# Altium PCB [CC2538] PCB v3.PcbDoc (continued)
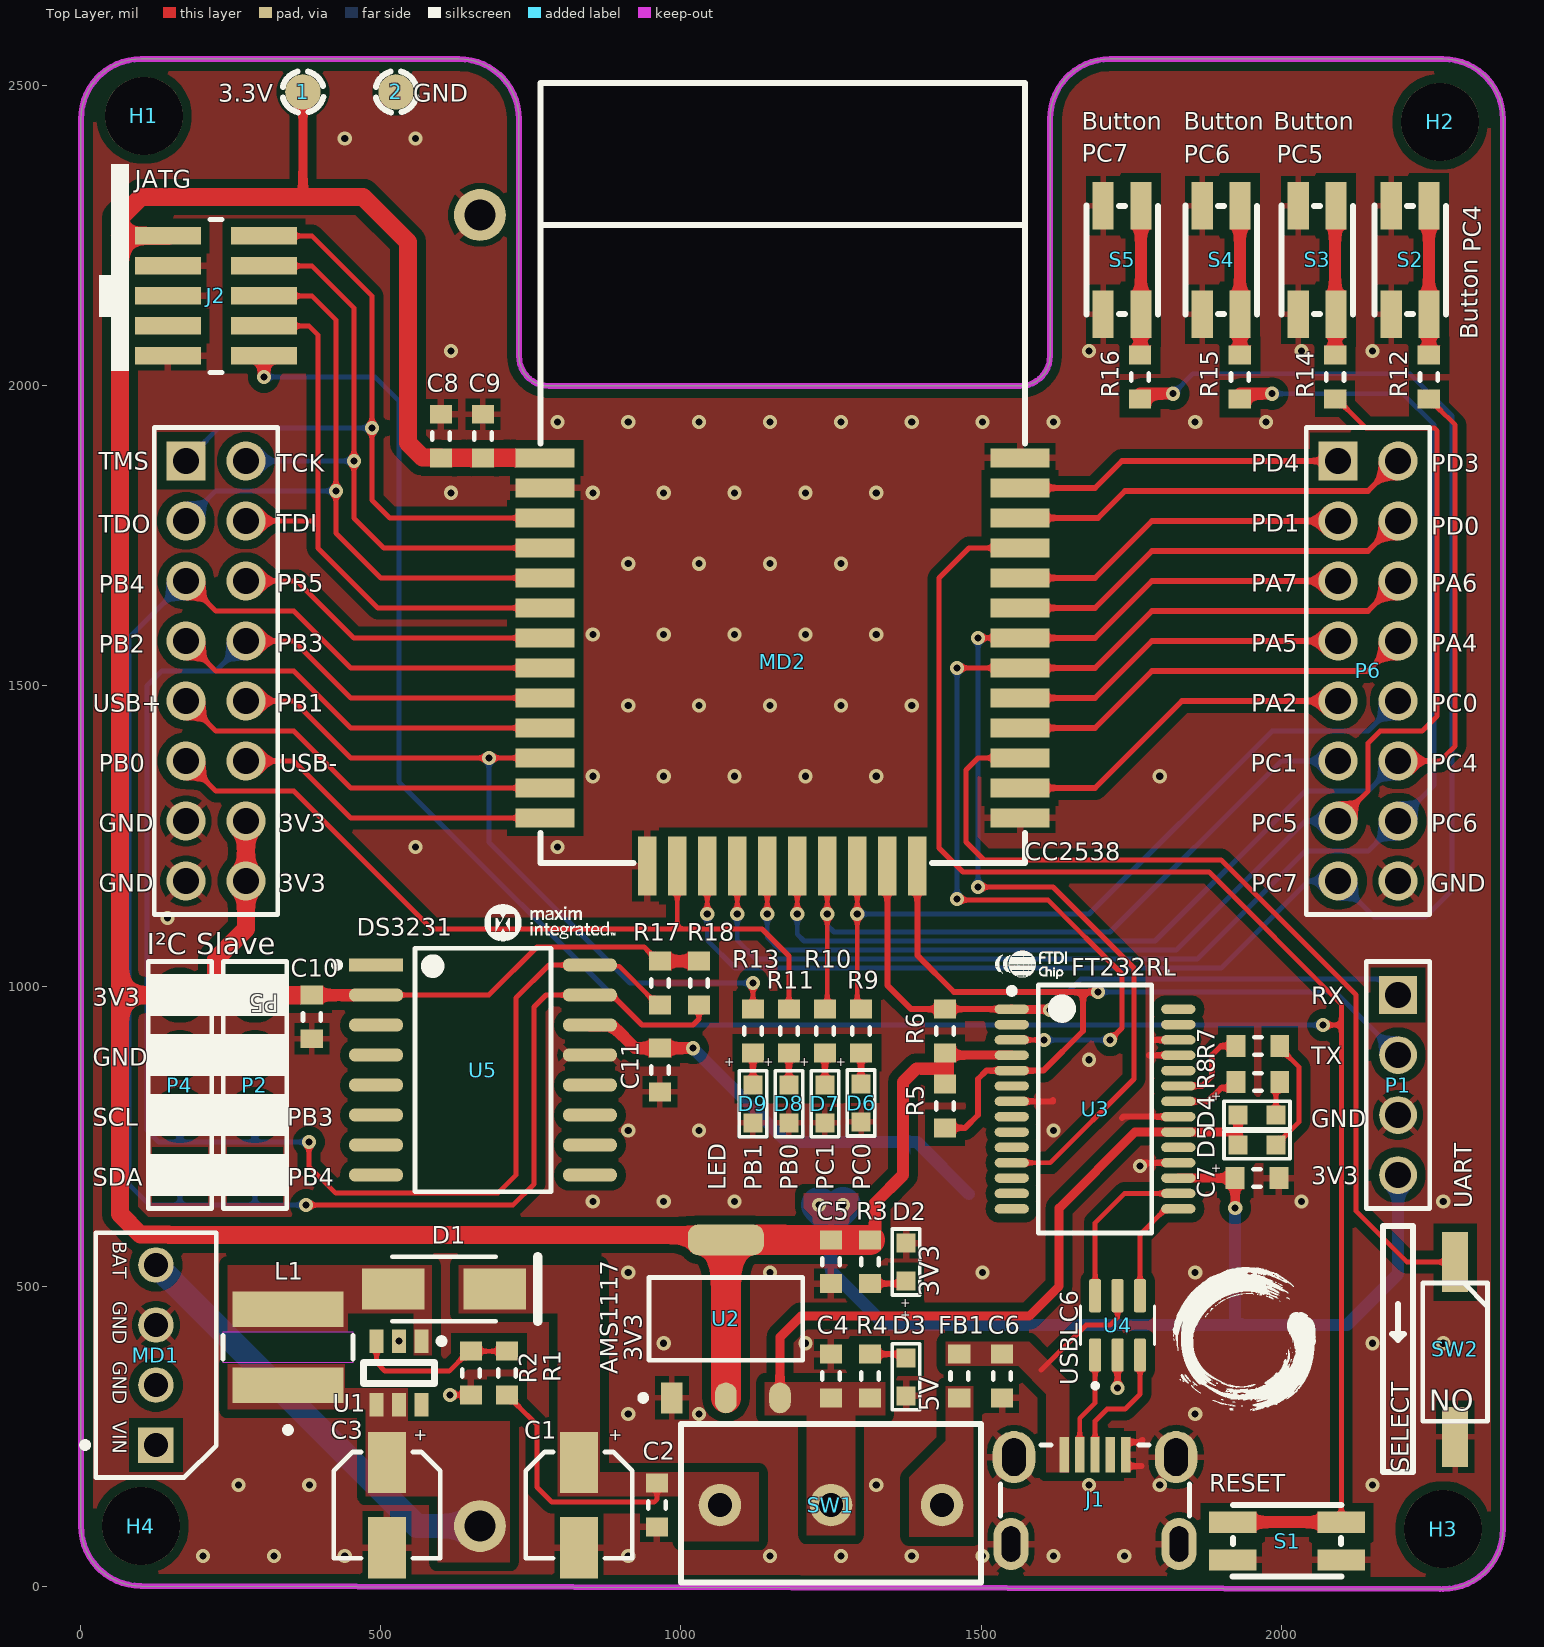
[diagram p0: Top Layer view]
## Footprints (in the part's own frame and the unit in brackets; to place one, negate y for a bottom-side part, rotate by r counter-clockwise, add the part's x,y. Pads: shape width x height; smd on the part's side, far side on the other; paste and mask are expansions set on the pad) (continued)
BCAAC [mm] "Battery Holder (Open) AA 1 Cell PC Pin"
  round 2.2 hole 1.3: 1(28.004,-0.127) 2(-27.496,-0.127)
  silkscreen extent -29.6,-8.33 30.1,8.07, body extent -29.6,-8.33 30.1,8.07, height 13.25
CAP_0603 [mm] "Chip Capacitor, 2-Leads, Body 1.80x0.80mm, IPC Medium Density"
  rect 0.8x0.95 smd: 1(-0.925,0) 2(0.925,0)
  silkscreen extent -0.15,-0.38 0.15,0.38, body extent -0.95,-0.45 0.95,0.45, height 0.9
CBG160808U601T-Footprint [mm]
  rect 0.8x0.95 smd: 1(-0.925,0) 2(0.925,0)
  silkscreen extent -0.15,-0.38 0.15,0.38, body extent -0.75,-0.45 0.85,0.5, height 0.5
"Dip Switch 1 2.54-Footprint-1" [mm]
  rect 1.1x2.54 smd: 1(0,-3.81) 2(0,3.59)
  silkscreen extent -1.37,-2.93 1.37,2.93, body extent -1.22,-4.32 1.22,4.32, height 2.65
FP-AMS1117-IPC_B [mm]
  rect 1.304x0.912 smd paste+0 mask+0: 1(-3.345,2.29)
  rrect100% 1.304x0.912 smd paste+0 mask+0: 2(-3.345,0) 3(-3.345,-2.29)
  rrect70% 1.304x3.222 smd paste+0 mask+0: 4(3.345,0)
  silkscreen extent -3.47,-3.25 1.75,3.62, body extent -4.25,-3.5 4.25,3.5, height 0.25
FP-BU2032SM-BT-GTR-MFG [mm]
  rect 5x5 smd paste+0 mask+0: 1(14.65,0) 2(-14.65,0)
  silkscreen extent -14.55,-8.25 14.55,8.25, body extent -15.93,-8 15.93,8, height 5.7
FP-FTSH-105-01-L-DV-K-P-T-MFG [mm]
  rect 0.74x2.79 smd paste+0 mask+0: 1(-2.54,-2.035) 2(-2.54,2.035) 3(-1.27,-2.035) 4(-1.27,2.035) 5(0,-2.035) 6(0,2.035) 7(1.27,-2.035) 8(1.27,2.035) 9(2.54,-2.035) 10(2.54,2.035)
  silkscreen extent -3.24,-4.11 3.24,0.27, body extent -3.34,-3.53 3.34,3.53, height 0.25
FP-W16MK-1-IPC_B [mil]
  rect 90.47x22.32 smd paste+0 mask+0: 1(-178.27,175)
  rrect100% 90.47x22.32 smd paste+0 mask+0: 2(-178.27,125) 3(-178.27,75) 4(-178.27,25) 5(-178.27,-25) 6(-178.27,-75) 7(-178.27,-125) 8(-178.27,-175) 9(178.27,-175) 10(178.27,-125) 11(178.27,-75) 12(178.27,-25) 13(178.27,25) 14(178.27,75) 15(178.27,125) 16(178.27,175)
  silkscreen extent -248,-203 113,203
FTDI-SSOP-28_L [mm] "SOP, 28-Leads, Body 10.5x5.6mm, Pitch 0.65mm, IPC High Density"
  oval 1.45x0.4 smd: 1(-3.525,4.225) 2(-3.525,3.575) 3(-3.525,2.925) 4(-3.525,2.275) 5(-3.525,1.625) 6(-3.525,0.975) 7(-3.525,0.325) 8(-3.525,-0.325) 9(-3.525,-0.975) 10(-3.525,-1.625) 11(-3.525,-2.275) 12(-3.525,-2.925) 13(-3.525,-3.575) 14(-3.525,-4.225) 15(3.525,-4.225) 16(3.525,-3.575) 17(3.525,-2.925) 18(3.525,-2.275) 19(3.525,-1.625) 20(3.525,-0.975) 21(3.525,-0.325) 22(3.525,0.325) 23(3.525,0.975) 24(3.525,1.625) 25(3.525,2.275) 26(3.525,2.925) 27(3.525,3.575) 28(3.525,4.225)
  silkscreen extent -3.65,-5.25 2.4,5.25, body extent -3.9,-5.25 3.9,5.25, height 2
LI-ION_BATT_CHARGER_CN3791-Footprint-1 [mm]
  rect 1.5x1.5 hole 1: 1(3.81,0)
  round 1.5 hole 1: 2(1.27,0) 3(-1.27,0) 4(-3.81,0)
  silkscreen extent -5.18,-3.12 5.18,2.55
RES_0603 [mm] "Chip Resistor, 2-Leads, Body 1.55x0.85mm, IPC Medium Density"
  rect 0.8x0.95 smd: 1(-0.925,0) 2(0.925,0)
  silkscreen extent -0.15,-0.38 0.15,0.38, body extent -0.75,-0.45 0.85,0.5, height 0.5
SOT95P280X145-6N [mm] "SOT23, 6-Leads, Body 2.90x2.80mm, Pitch 0.95mm, IPC Medium Density"
  rect 1x0.6 smd: 1(-1.35,0.95) 2(-1.35,0) 3(-1.35,-0.95) 4(1.35,-0.95) 5(1.35,0) 6(1.35,0.95)
  silkscreen extent -1.47,-1.5 0.45,1.93, body extent -0.85,-1.5 0.85,1.5, height 1.45
SS210-Footprint-SMA [mm]
  rect 2.65x1.75 smd: 1(-2.15,0) 2(2.15,0)
  silkscreen extent -2.19,-1.36 3.98,1.36, body extent -2.6,-1.48 2.6,1.48, height 2.7
SS-12D06G5-Footprint [mm]
  round 1.8 hole 1: 1(-4.7,0) 2(0,0) 3(4.7,0)
  silkscreen extent -6.35,-3.43 6.35,3.27, body extent -6.35,-3.47 6.35,3.43, height 15.36
"Tactile Switch-3x4x2.5 Footprint" [mm]
  rect 2x0.9 smd: 1(-2.3,0.8) 2(2.3,0.8) 3(2.3,-0.8) 4(-2.3,-0.8)
  silkscreen extent -2.3,-1.5 2.31,1.52, body extent -2.3,-1.48 2.3,1.52, height 2.47
"Test point 1.5mm-Footprint-1" [mm]
  round 1.5 smd: 1(0,0)
  silkscreen extent -0.86,-0.86 0.86,0.86
USBLC6-2SC6-Footprint-1 [mm]
  rrect25% 1.4x0.5 smd: 1(-1.255,0.95) 2(-1.255,0) 3(-1.255,-0.95) 4(1.255,-0.95) 5(1.255,0) 6(1.255,0.95)
  silkscreen extent -2.65,-1.57 0.81,1.57, body extent -1.4,-1.46 1.4,1.46, height 1.44
WAVGAT-CC2538-CC2592-Footprint [mm]
  rect 2.5x0.8 smd paste+0 mask+0: 1(0.2,17.145) 2(0.2,15.875) 3(0.2,14.605) 4(0.2,13.335) 5(0.2,12.065) 6(0.2,10.795) 7(0.2,9.525) 8(0.2,8.255) 9(0.2,6.985) 10(0.2,5.715) 11(0.2,4.445) 12(0.2,3.175) 13(0.2,1.905) 24(20.3,1.905) 25(20.3,3.175) 26(20.3,4.445) 27(20.3,5.715) 28(20.3,6.985) 29(20.3,8.255) 30(20.3,9.525) 31(20.3,10.795) 32(20.3,12.065) 33(20.3,13.335) 34(20.3,14.605) 35(20.3,15.875) 36(20.3,17.145)
  rect 0.8x2.5 smd paste+0 mask+0: 14(4.521,-0.127) 15(5.791,-0.127) 16(7.061,-0.127) 17(8.331,-0.127) 18(9.601,-0.127) 19(10.871,-0.127) 20(12.141,-0.127) 21(13.411,-0.127) 22(14.681,-0.127) 23(15.951,-0.127)
  silkscreen extent 0,0 20.51,33.02
WCAP-ASLI_D4H5.5 [mm] "Aluminium Electrolytic V-Chip SMT Capacitors, 4x5.5mm"
  rect 2.6x1.6 smd: 1(1.8,0) 2(-1.8,0)
  silkscreen extent -2.25,-2.25 2.25,2.25, body extent -2.5,-2.15 2.5,2.15, height 5.5
"WE-PD2A_4D28 (4730)" [mm]
  rect 1.5x4.7 smd: 1(-1.6,0) 2(1.6,0)
  Top Layer keep-out region: -0.65,2.75 0.65,2.75 0.65,-2.75 -0.65,-2.75
  silkscreen extent -3.62,-2.75 0.5,2.75, body extent -2.9,-2.6 2.89,2.6, height 4.5
WL-SMCW_0603_H=0.7mm#1 [mm] "SMD Mono-color Chip LED, body 1.6x0.8mm"
  rect 0.8x0.8 smd: 1(-0.8,0) 2(0.8,0)
  silkscreen extent -1.4,-0.58 1.4,0.58, body extent -0.8,-0.4 0.8,0.4, height 0.7
WL-SMCW_0603_H=0.7mm#2 [mm] "SMD Mono-color Chip LED, body 1.6x0.8mm"
  rect 0.8x0.8 smd: 1(-0.8,0.008) 2(0.8,0.008)
  silkscreen extent -1.4,-0.58 1.4,0.59, body extent -0.8,-0.39 0.8,0.41, height 0.7

## Part data
1 2: library part CMP-00028-00008-2, "Test point, 1.5mm radius"
BT1: library part CMP-00029-00002-3, "Battery Holder (Open) AA 1 Cell PC Pin", Supplier Locally Name=Thegioiic, Supplier Locally URL=https://www.thegioiic.com/hop-pin-1xaa-xuyen-lo-han-pcb
BT2: library part CMP-00029-00009-1, "Batteries/Accessories"
C1 C3: library part CMP-001-00129-2, "V-Chip, D4 x H5.5mm, 22uF, 16V", Capacitance Tolerance=+/-20%, Leakage Current=3.52uA, Manufacturer="Wurth Elektronik", Manufacturer Part Number=N/A, Operating Temperature Max=105°C, Operating Temperature Min=-55°C, Rated Voltage (DC)=16V, Ripple Current=90mA, Category="Aluminum Electrolytic Capacitors", Component Type=Standard, Design Item ID=865080340003, Diameter=4mm, Dissipation Factor=16%, Endurance=2000h, Height=5.5mm, Mount="Surface Mount", Packaging="Tape and Reel", Pins=2, Source=Al_Cap.SchLib, Supplier 1 Name=Mouser, Supplier 1 SN=710-865080340003, Supplier 1 URL=https://www.mouser.com/ProductDetail/Wurth-Elektronik/865080340003?qs=0KOYDY2FL2%252BowmC4S50IuQ%3D%3D, Supplier 2 Name=Digi-Key, Supplier 2 SN=N/A, Supplier 2 URL=N/A, Supplier 3 Name=thegioiic, Supplier 3 SN=N/A, Supplier 3 URL=https://www.thegioiic.com/tu-nhom-smd-22uf-16v-4x5-4mm
C2 C8 C10 C11: library part CMP-001-00177-2, "CAP, size 0603, 1 uF, 16 VDC, 10%", Case/Package=0603, LCSC Part #=C1592, Manufacturer="Samsung Electro-Mechanics", Manufacturer Part Number=CL10B105KO8NNWC, Operating Temperature Max="+ 85 C", Operating Temperature Min="- 40 C", Supplier 1 Part Number=187-CL10B105KO8NNWC, Supplier 2 Part Number=1276-CL10B105KO8NNWCTR-ND, Supplier 3 Part Number=N/A, Tolerance=10%, Voltage Rating DC="16 VDC", Component Type=Standard, ComponentLink1Description=Datasheet, ComponentLink1URL=https://www.mouser.vn/datasheet/2/585/Samsung_MLCC_1837944-1929650.pdf, Design Item ID=0106031051016, Mount=SMD/SMT, Packaging="Tape and Reel", Pins=2, Source=Capacitor_0603_10_percent.SchLib, Supplier 1 URL=https://www.mouser.vn/ProductDetail/Samsung-Electro-Mechanics/CL10B105KO8NNWC?qs=81r%252BiQLm7BT%252BXtc72qn1ug%3D%3D&utm_source=mouser-refine-download&utm_medium=file&utm_campaign=CL10B105KO8NNWC&utm_content=Samsung-Electro-Mechanics, Supplier 2 URL=https://www.digikey.com/en/products/detail/samsung-electro-mechanics/cl10b105ko8nnwc/16572783, Supplier 3 URL=https://www.thegioiic.com/tu-gom-0603-1uf-16v
C4 C5: library part CMP-001-00181-2, "CAP, size 0603, 10 uF, 10 VDC, 10%", Case/Package=0603, LCSC Part #=C19702, Manufacturer="Samsung Electro-Mechanics", Manufacturer Part Number=CL10A106KP8NNNC, Operating Temperature Max="+ 85 C", Operating Temperature Min="- 40 C", Supplier 1 Part Number=187-CL10A106KP8NNNC, Supplier 2 Part Number=1276-1192-2-ND, Supplier 3 Part Number=N/A, Tolerance=10%, Voltage Rating DC="10 VDC", Component Type=Standard, ComponentLink1Description=Datasheet, ComponentLink1URL=https://www.mouser.vn/datasheet/2/585/MLCC-1837944.pdf, Design Item ID=0106031061010, Mount=SMD/SMT, Packaging="Tape and Reel", Pins=2, Source=Capacitor_0603_10_percent.SchLib, Supplier 1 URL=https://www.mouser.vn/ProductDetail/Samsung-Electro-Mechanics/CL10A106KP8NNNC?qs=X6jEic%2FHinAlyfRHj7fKwg%3D%3D, Supplier 2 URL=https://www.digikey.com/en/products/detail/samsung-electro-mechanics/cl10a106kp8nnnc/3886850, Supplier 3 URL=https://www.thegioiic.com/tu-gom-0603-10uf-25v
C6 C7 C9: library part CMP-001-00176-2, "CAP, size 0603, 100 nF, 50 VDC, 10%", Case/Package=0603, LCSC Part #=C14663, Manufacturer=TDK, Manufacturer Part Number=CGA3E3X8R1H104K080AE, Operating Temperature Max="+ 85 C", Operating Temperature Min="- 40 C", Supplier 1 Part Number=810-CGA3E3X8R1H104KA, Supplier 2 Part Number=445-173697-2-ND, Supplier 3 Part Number=N/A, Tolerance=10%, Voltage Rating DC="50 VDC", Component Type=Standard, ComponentLink1Description=Datasheet, ComponentLink1URL=https://product.tdk.com/system/files/dam/doc/product/capacitor/ceramic/mlcc/catalog/mlcc_automotive_soft_en.pdf?ref_disty=mouser, Design Item ID=0106031041050, Mount=SMD/SMT, Packaging="Tape and Reel", Pins=2, Source=Capacitor_0603_10_percent.SchLib, Supplier 1 URL=https://www.mouser.com/ProductDetail/TDK/CGA3E3X8R1H104K080AE?qs=nQSIdc08i%252Bd8g3IRRgU2bw%3D%3D&utm_source=mouser-refine-download&utm_medium=file&utm_campaign=CGA3E3X8R1H104K080AE&utm_content=TDK, Supplier 2 URL=https://www.digikey.com/en/products/detail/tdk-corporation/cga3e3x8r1h104k080ae/5809262, Supplier 3 URL=https://www.thegioiic.com/tu-gom-0603-100nf-0-1uf-50v
D1: library part CMP-004-00056-1, "Rectifier Diode, Schottky, 1 Phase, 1 Element, 1.5A, 100V V(RRM), Silicon, DO-214AA", Forward Voltage=430mV, Max Operating Temperature=150°C, Min Operating Temperature=-55°C, Pins=2, RoHS Compliant=Yes
D2 D3 D4 D5: library part CMP-004-00033-2, "WL-SMCW SMT Mono-color Chip LED Blur, size 0603, Green, 3.2V, 140deg", Color=Green, Component Type=Standard, ComponentLink1Description="Datasheet link", ComponentLink1URL=N/A, ComponentLink2Description="Supplier 1 URL", ComponentLink2URL=https://www.mouser.vn/ProductDetail/ROHM-Semiconductor/SMLD12EN1WT86?qs=qSfuJ%252Bfl%2Fd4fR%252B9yZydIwg%3D%3D, ComponentLink3Description="Supplier 2 URL", ComponentLink3URL=https://www.digikey.com/en/products/detail/rohm-semiconductor/SML-D12M8WT86/1641797, ComponentLink4Description="Supplier 3 URL", ComponentLink4URL=N/A, Design Item ID=160603GreenBlur, Pins=2, Size=0603, Source=WL-SMCW_0603.SchLib, Supplier 1 Name=Mouser, Supplier 1 SN=755-SMLD12EN1WT86, Supplier 1 URL=https://www.mouser.vn/ProductDetail/ROHM-Semiconductor/SMLD12EN1WT86?qs=qSfuJ%252Bfl%2Fd4fR%252B9yZydIwg%3D%3D, Supplier 2 Name=Digi-Key, Supplier 2 SN=511-1578-2-ND, Supplier 2 URL=https://www.digikey.com/en/products/detail/rohm-semiconductor/SML-D12M8WT86/1641797, Supplier 3 Name=ICDayRoi, Supplier 3 SN=N/A, Supplier 3 URL=N/A, Type=Blur
D6: library part CMP-004-00038-2, "WL-SMCW SMT Mono-color Chip LED Waterclear, size 0603, Red, 2V, 140deg", Color=Red, Component Type=Standard, ComponentLink1Description="Datasheet link", ComponentLink1URL=N/A, ComponentLink2Description="Supplier 1 URL", ComponentLink2URL=https://www.mouser.vn/ProductDetail/Wurth-Elektronik/150060RS75000?qs=LlUlMxKIyB3QnmZ3fw%2FVCA%3D%3D, ComponentLink3Description="Supplier 2 URL", ComponentLink3URL=https://www.digikey.com/en/products/detail/liteon/LTST-C191KRKT/386837, ComponentLink4Description="Supplier 3 URL", ComponentLink4URL=https://www.thegioiic.com/led-do-0603-dan-smd-trong-suot, Design Item ID=160603RedClear, Pins=2, Size=0603, Source=WL-SMCW_0603.SchLib, Supplier 1 Name=Mouser, Supplier 1 SN=710-150060RS75000, Supplier 1 URL=https://www.mouser.vn/ProductDetail/Wurth-Elektronik/150060RS75000?qs=LlUlMxKIyB3QnmZ3fw%2FVCA%3D%3D, Supplier 2 Name=Digi-Key, Supplier 2 SN=160-1447-2-ND, Supplier 2 URL=https://www.digikey.com/en/products/detail/liteon/LTST-C191KRKT/386837, Supplier 3 Name=ICDayRoi, Supplier 3 SN=N/A, Supplier 3 URL=https://www.thegioiic.com/led-do-0603-dan-smd-trong-suot, Type=Clear
D7: library part CMP-004-00042-2, "WL-SMCW SMT Mono-color Chip LED Waterclear, size 0603, Yellow, 2V, 140deg", Color=Yellow, Component Type=Standard, ComponentLink1Description="Datasheet link", ComponentLink1URL=N/A, ComponentLink2Description="Supplier 1 URL", ComponentLink2URL=https://www.mouser.com/ProductDetail/Wurth-Elektronik/150060YS75003?qs=Li%252BoUPsLEnvfob7qsAi9dA%3D%3D, ComponentLink3Description="Supplier 2 URL", ComponentLink3URL=https://www.digikey.com/en/products/detail/liteon/LTST-C191KSKT/386839, ComponentLink4Description="Supplier 3 URL", ComponentLink4URL=https://icdayroi.com/led-yellow-0603, Design Item ID=160603YellowClear, Pins=2, Size=0603, Source=WL-SMCW_0603.SchLib, Supplier 1 Name=Mouser, Supplier 1 SN=710-150060YS75003, Supplier 1 URL=https://www.mouser.com/ProductDetail/Wurth-Elektronik/150060YS75003?qs=Li%252BoUPsLEnvfob7qsAi9dA%3D%3D, Supplier 2 Name=Digi-Key, Supplier 2 SN=160-1448-2-ND, Supplier 2 URL=https://www.digikey.com/en/products/detail/liteon/LTST-C191KSKT/386839, Supplier 3 Name=ICDayRoi, Supplier 3 SN=N/A, Supplier 3 URL=https://icdayroi.com/led-yellow-0603, Type=Clear
D8: library part CMP-004-00034-2, "WL-SMCW SMT Mono-color Chip LED Waterclear, size 0603, Green, 3.2V, 140deg", Color=Green, Component Type=Standard, ComponentLink1Description="Datasheet link", ComponentLink1URL=N/A, ComponentLink2Description="Supplier 1 URL", ComponentLink2URL=https://www.mouser.vn/ProductDetail/Wurth-Elektronik/150060GS75000?qs=LlUlMxKIyB0UYkq5lDO8nA%3D%3D, ComponentLink3Description="Supplier 2 URL", ComponentLink3URL=https://www.digikey.com/en/products/detail/liteon/LTST-C191KGKT/386835, ComponentLink4Description="Supplier 3 URL", ComponentLink4URL=https://www.thegioiic.com/led-xanh-la-0603-dan-smd-trong-suot, Design Item ID=160603GreenClear, Pins=2, Size=0603, Source=WL-SMCW_0603.SchLib, Supplier 1 Name=Mouser, Supplier 1 SN=710-150060GS75000, Supplier 1 URL=https://www.mouser.vn/ProductDetail/Wurth-Elektronik/150060GS75000?qs=LlUlMxKIyB0UYkq5lDO8nA%3D%3D, Supplier 2 Name=Digi-Key, Supplier 2 SN=160-1446-2-ND, Supplier 2 URL=https://www.digikey.com/en/products/detail/liteon/LTST-C191KGKT/386835, Supplier 3 Name=ICDayRoi, Supplier 3 SN=N/A, Supplier 3 URL=https://www.thegioiic.com/led-xanh-la-0603-dan-smd-trong-suot, Type=Clear
D9: library part CMP-007-00036-1, Colour=Orange
FB1: library part CMP-006-00022-1, "0603 600Ω ±25% DCR=0.5Ω 0.2A"
H1 H2 H3 H4: library part CMP-034-000004-2, Component Type="Standard (No BOM)", Design Item ID="Tooling Hole 3mm", Pin Count=0, Source=Hole.SchLib
J1: library part CMP-002-00305-5, "Micro USB 2.0 Type B Receptacle WR-COM, Horizontal, SMT, with Pegs, High Current at Pin 1 & Pin 5"
J2: library part CMP-002-00347-1, "JTAG Connector - Board Connector, 10 Contact(s), 2 Row(s), Male, Straight, 0.05 inch Pitch, Surface Mount Terminal, Locking", Connector Type="BOARD CONNECTOR", Mounting Technology=Board, RoHS Compliant=Yes
L1: library part CMP-006-00021-3, "General Purpose Inductor", RoHS Compliant=Yes
MD1: library part CMP-00029-00007-6, "CN3791 MPPT solar charge controller module uses the CN3791 IC which’s a pulse width modulated switch-mode lithium-ion battery charge controller that can be powered by a photovoltaic cell with maximum power point tracking function"
MD2: library part CMP-021-00009-2, "WAVGAT-CC2538-CC2592 Module"
P1 P2 P4: library part CMP-002-01000-1, "WR-PHD Pin Header, THT, pitch 2.54mm, Single Row, Vertical, 4p", Contact Resistance=20mOhm, LCSC Part #=N/A, Manufacturer="Wurth Elektronik", Operating Temperature Max="+ 85 C", Operating Temperature Min="- 25 C", Rated Current=3A, Supplier 1 Part Number=710-61300311121, Withstanding Voltage=500VAC, Working Voltage=250VAC, Component Type=Standard, ComponentLink1Description=Datasheet, ComponentLink1URL=https://www.we-online.com/catalog/datasheet/61300411121.pdf, Design Item ID=61300411121, Gender="Pin Header", Manufacturer Part Number=61300411121, Mount=THT, Orientation=Vertical, Packaging=Bag, Pin Number=4, Pins=4, Pitch=2.54mm, Published Date="May 2020", Row Number=Single, Source="WR-PHD_Pin Header_2.54mm.SchLib", Supplier 1 URL=https://www.mouser.vn/ProductDetail/Wurth-Elektronik/61300311121?qs=PhR8RmCirEYxRWFJzNKsUw%3D%3D, Supplier 2 Part Number=N/A, Supplier 2 URL=N/A, Supplier 3 Part Number=N/A, Supplier 3 URL=N/A
P5 P6: library part CMP-002-01084-1, "WR-PHD Pin Header, THT, pitch 2.54mm, Dual Row, Vertical, 16p", Contact Resistance=20mOhm, LCSC Part #=N/A, Manufacturer="Wurth Elektronik", Operating Temperature Max="+ 85 C", Operating Temperature Min="- 25 C", Rated Current=3A, Supplier 1 Part Number=710-61301621121, Withstanding Voltage=500VAC, Working Voltage=250VAC, Component Type=Standard, ComponentLink1Description=Datasheet, ComponentLink1URL=https://www.we-online.com/catalog/datasheet/61301621121.pdf, Design Item ID=61301621121, Gender="Pin Header", Manufacturer Part Number=61301621121, Mount=THT, Orientation=Vertical, Packaging=Bag, Pin Number=16, Pins=16, Pitch=2.54mm, Published Date="May 2020", Row Number=Dual, Source="WR-PHD_Pin Header_2.54mm.SchLib", Supplier 1 URL=https://www.mouser.vn/ProductDetail/Wurth-Elektronik/61301621121?qs=PhR8RmCirEZBHI%2Fm2diuGA%3D%3D, Supplier 2 Part Number=N/A, Supplier 2 URL=N/A, Supplier 3 Part Number=N/A, Supplier 3 URL=https://www.thegioiic.com/hang-rao-duc-doi-2-54mm-16-chan-2-hang-cao-11-2mm-xuyen-lo
R1: library part CMP-009-00278-4, "RES, size 0603, 22 KOhm, 1/10 W, 1%", Case/Package=0603, LCSC Part #=N/A, Manufacturer=OEM, Operating Temperature Max="+ 85 C", Operating Temperature Min="- 40 C", Rated Power="1/10 W", Supplier 1 Part Number=667-ERJ-UP3F2202V, Supplier 2 Part Number="10-ERJ-UP3F2202VTR-ND 10-ERJ-UP3F2202VCT-ND 10-ERJ-UP3F2202VDKR-ND", Tolerance=1%, Component Type=Standard, ComponentLink1Description=Datasheet, ComponentLink1URL=https://api.pim.na.industrial.panasonic.com/file_stream/main/fileversion/4484, Design Item ID=0006032231, Manufacturer Part Number=OEM, Mount=SMD/SMT, Packaging="Tape and Reel", Pins=2, Source=Resistor_0603.SchLib, Supplier 1 URL=https://www.mouser.vn/ProductDetail/Panasonic/ERJ-UP3F2202V?qs=sGAEpiMZZMvdGkrng054twq3eZrCFN893x5tBCka%252B6wRswHHN2WaIQ%3D%3D, Supplier 2 URL=https://www.digikey.com/en/products/detail/panasonic-electronic-components/ERJ-UP3F2202V/12092693, Supplier 3 Part Number=N/A, Supplier 3 URL=N/A
R2: library part CMP-009-00309-4, "RES, size 0603, 3.1  KOhm, 1/10 W, 1%", Case/Package=0603, LCSC Part #=N/A, Manufacturer=OEM, Operating Temperature Max="+ 85 C", Operating Temperature Min="- 40 C", Rated Power="1/10 W", Supplier 1 Part Number=652-CHP0603FX3011ELF, Supplier 2 Part Number=MCT06030C3101FP500-ND, Tolerance=1%, Component Type=Standard, ComponentLink1Description=Datasheet, ComponentLink1URL=N/A, Design Item ID=0006033121, Manufacturer Part Number=OEM, Mount=SMD/SMT, Packaging="Tape and Reel", Pins=2, Source=Resistor_0603.SchLib, Supplier 1 URL=https://www.mouser.vn/ProductDetail/Bourns/CHP0603-FX-3011ELF?qs=gZXFycFWdAOzN1n7XWkwdg%3D%3D, Supplier 2 URL=https://www.digikey.com/en/products/detail/vishay-beyschlag-draloric-bc-components/MCT06030C3101FP500/8124767, Supplier 3 Part Number=N/A, Supplier 3 URL=N/A
R3 R4 R7 R8 R9 R10 R11 R13: library part CMP-009-00185-4, "RES, size 0603, 1 KOhm, 1/10 W, 1%", Case/Package=0603, LCSC Part #=C22548, Manufacturer=YAGEO, Manufacturer Part Number=RC0603FR-071KL, Operating Temperature Max="+ 85 C", Operating Temperature Min="- 40 C", Rated Power="1/10 W", Supplier 1 Part Number=603-RC0603FR-071KL, Supplier 2 Part Number=311-1.00KHRTR-ND, Supplier 3 Part Number=N/A, Tolerance=1%, Component Type=Standard, ComponentLink1Description=Datasheet, ComponentLink1URL=https://www.yageo.com/upload/media/product/productsearch/datasheet/rchip/PYu-SR_20105_RoHS_L_10.pdf, Design Item ID=0006031021, Mount=SMD/SMT, Packaging="Tape and Reel", Pins=2, Source=Resistor_0603.SchLib, Supplier 1 URL=https://www.mouser.vn/ProductDetail/YAGEO/RC0603FR-071KL?qs=VU8sRB4EgwApHsk4rF%2F3zg%3D%3D, Supplier 2 URL=https://www.digikey.com/en/products/detail/yageo/rc0603fr-071kl/726843, Supplier 3 URL=N/A
R5 R6: library part CMP-009-00187-4, "RES, size 0603, 10 KOhm, 1/10 W, 1%", Case/Package=0603, LCSC Part #=C98220, Manufacturer=YAGEO, Manufacturer Part Number=RC0603FR-0710KL, Operating Temperature Max="+ 85 C", Operating Temperature Min="- 40 C", Rated Power="1/10 W", Supplier 1 Part Number=N/A, Supplier 2 Part Number=311-10.0KHRTR-ND, Tolerance=1%, Component Type=Standard, ComponentLink1Description=Datasheet, ComponentLink1URL=https://fscdn.rohm.com/en/products/databook/datasheet/passive/resistor/chip_resistor/esr-e.pdf, Design Item ID=0006031031, Mount=SMD/SMT, Packaging="Tape and Reel", Pins=2, Source=Resistor_0603.SchLib, Supplier 1 URL=N/A, Supplier 2 URL=https://www.digikey.com/en/products/detail/yageo/rc0603fr-0710kl/726880, Supplier 3 Part Number=N/A, Supplier 3 URL=N/A
R12 R14 R15 R16: library part CMP-009-00186-4, "RES, size 0603, 1 KOhm, 1/10 W, 5%", Case/Package=0603, LCSC Part #=N/A, Manufacturer=Panasonic, Manufacturer Part Number=ERJ-UP3J102V, Operating Temperature Max="+ 85 C", Operating Temperature Min="- 40 C", Rated Power="1/10 W", Supplier 1 Part Number=667-ERJ-UP3J102V, Tolerance=5%, Component Type=Standard, ComponentLink1Description=Datasheet, ComponentLink1URL=https://www.mouser.vn/datasheet/2/315/Panasonic_Resistors_Thick_Film_Anti_Sulf_Anti_Surg-1825099.pdf, Design Item ID=0006031025, Mount=SMD/SMT, Packaging="Tape and Reel", Pins=2, Source=Resistor_0603.SchLib, Supplier 1 URL=https://www.mouser.vn/ProductDetail/Panasonic/ERJ-UP3J102V?qs=GedFDFLaBXG0ASpYP%252B3phQ%3D%3D, Supplier 2 Part Number=667-ERJ-UP3J102V, Supplier 2 URL=https://www.mouser.vn/ProductDetail/Panasonic/ERJ-UP3J102V?qs=GedFDFLaBXG0ASpYP%252B3phQ%3D%3D, Supplier 3 Part Number=N/A, Supplier 3 URL=N/A
R17 R18: library part CMP-009-00346-4, "RES, size 0603, 4.7 kOhm, 1/10 W, 1%", Case/Package=0603, LCSC Part #=C99782, Manufacturer=YAGEO, Manufacturer Part Number=RC0603FR-074K7L, Operating Temperature Max="+ 85 C", Operating Temperature Min="- 40 C", Rated Power="1/10 W", Supplier 1 Part Number=603-RC0603FR-074K7L, Supplier 2 Part Number=N/A, Tolerance=1%, Component Type=Standard, ComponentLink1Description=Datasheet, ComponentLink1URL=https://www.mouser.vn/datasheet/2/447/YAGEO_PYu_RC_Group_51_RoHS_L_12-3313492.pdf, Design Item ID=0006034721, Mount=SMD/SMT, Packaging="Tape and Reel", Pins=2, Source=Resistor_0603.SchLib, Supplier 1 URL=https://www.mouser.vn/ProductDetail/YAGEO/RC0603FR-074K7L?qs=gt6vzsuosg37y0l7Vt36bQ%3D%3D, Supplier 2 URL=N/A, Supplier 3 Part Number=N/A, Supplier 3 URL=N/A
S1 S2 S3 S4 S5: library part CMP-011-00013-5, "Tactile Switch, 3x4x2.5mm", Mounting Technology=SMT, Pins=4
SW1: library part CMP-011-00018-1
SW2: library part CMP-011-00016-1, "Slide Dip Switch, 1 Switches, SPST, Latched, 0.025A, 24VDC, 0 PCB Hole Cnt, Solder Terminal, Surface Mount-straight"
U1: library part CMP-019-00055-2, "1.2MHz 2A Vi=2V~24V Vo=28V(Max)", Case/Package=SOT23-6, Frequency=1.2MHz, Max Operating Temperature=85°C, Max Supply Voltage=24V, Min Operating Temperature=-40°C, Min Supply Voltage=2V, Locally Supplier Name=Thegioiic, Locally Supplier URL=https://www.thegioiic.com/mt3608-ic-dieu-chinh-tang-ap-2a-sot-23-6, Mounting Technology=SMT
U2: library part CMP-019-00052-6, "Fixed Positive LDO Regulator, 3.3V, 1.3V Dropout, PDSO3", Case/Package=SOT-223, Dropout Voltage=1.3V, Max Operating Temperature=125°C, Max Supply Voltage=15V, Min Operating Temperature=-40°C, Min Supply Voltage=4.8V, Nominal Supply Current=1A, Output Voltage=3.3V, Locally Supplier Name=Thegioiic, Locally Supplier URL=https://www.thegioiic.com/ams1117-3-3v-ic-on-ap-3-3v-1a-sot-223, Mounting Technology=SMT, Output Current=1A, Pins=3, RoHS Compliant=Yes
U3: library part CMP-015-00000-6, "USB UART IC, -0.5 to 6 V, 24 mA, -40 to 85 degC, 28-Pin SSOP, RoHS, Tape and Reel", Case/Package=SSOP, Manufacturer="Future Technology Devices International (FTDI)", Max Operating Temperature=85°C, Max Supply Voltage=5.25V, Min Operating Temperature=-40°C, Min Supply Voltage=3.3V, Nominal Supply Voltage=5V, Package Quantity=2000, Channels=1, Data Rate=3Mbps, Datasheet URL=http://datasheet.octopart.com/FT232RL-FTDI-datasheet-120501.pdf, Datasheet Version="Rev. 1.04, 02/2006", Interface=UART, Locally Supplier Name=Thegioiic, Locally Supplier URL=https://www.thegioiic.com/ft232rl-ic-usb-to-serial-uart-28-ssop, Manufacturer URL=http://www.ftdichip.com/, Packaging=TapeandReel, Pins=16, RoHS Compliant=True
U4: library part CMP-004-00055-2, "17V Clamp 5A (8/20Âµs) Ipp Tvs Diode Surface Mount SOT-23-6"
U5: library part CMP-00023-00003-1, "Real Time Clock, Non-Volatile, 1 Timer(s), CMOS, PDSO16", Case/Package=SOP, Max Operating Temperature=85°C, Min Operating Temperature=-40°C, Pins=16, RoHS Compliant=Yes

## Via types
v1: diameter 23.62, hole 11.81, Top Layer to Bottom Layer, tented both sides, 114 vias

## Nets (pads, with @x,y where several pads share a name; then routed paths per layer and width w, separated by ;. In a path a pad name is that pad's centre, name@x,y a point inside that pad or via, vN(x,y) a via of type N, cw(c..) or ccw(c..) an arc to the next point about the centre after c; other vN are vias at no path point)
3V3: 1.1 C5.2 C7.2 C8.2 C9.2 C10.2 J2.1 MD2.1 P1.4 P2.4 P4.4 P5.14 P5.16 R3.2 R5.2 R6.2 R17.2 R18.2 U2.2 U2.4 U3.4 U3.17 U5.2 | length 8068.5
  Top Layer w8: U5.2 680,985 760,1065 938.46,1065 962.05,1041.42 R17.2
  Top Layer w15: 370,2315 1.1 ; R6.2 1443.87,884.71 1551.08,884.71 U3.4 ; U3.17 1828.86,679.92 C7.2@1923.5,679.92 ; v1(1923.58,630) C7.2
  Top Layer w20: C10.2 U5.2 ; R17.2 R18.2 ; R3.2 1317.95,576.97 1323.7,582.72 1323.7,638.7 1370,685 1370,840 1392.5,862.5 1440,862.5
  Top Layer w30: J2.1 65,2250 ; P5.14 P5.16 275,1095 225,1045 225,987.5 227.5,985 ; C10.2 P2.4 227.5,985 ; MD2.1 C9.2 C8.2 599.25,1880.75 569.25,1880.75 545,1905 545,2240 470,2315 370,2315 100,2315 65,2280 65,2250 ; U2.4 1066.81,585 146.46,585 145.93,585.53 99.47,585.53 65,620 65,985 ; R5.2 1440,862.5 R6.2 ; 65,985 P4.4 227.5,985 ; 65,985 65,2250
  Top Layer w50: U2.2 U2.4 C5.2 R3.2
  Bottom Layer w20: 1250,615 1250,525 1340,435 1929.9,435 ; v1(1923.58,630) 1923.58,441.32 1929.9,435 ; P1.4 2195,520 2110,435 1929.9,435
  Bottom Layer w60: v1(1230,635) 1250,615 v1(1270,635)
5V: C4.2 D4.2 D5.2 R4.2 SW1.2 U2.3 U3.20 | length 1134
  Top Layer w15: U2.3 1165,415 1200,450 1580,450 1630,500 1630,630 1756.61,756.61 U3.20 1925.12,756.61 1928.5,760 ; D5.2 1928.5,760 ; D4.2 1928.5,760
5V_BAT: C1.1 C2.2 D1.2 R1.2 SW1.3 | length 415.1
  Top Layer w8: R1.2 712.95,318.58 724.7,306.83 724.7,303.88 760,268.58 760,165 785,140 955.31,140 960,144.69 C2.2
5V_USB: C6.2 FB1.1 J1.1 U4.5 | length 200.1
  Top Layer w8: 1600,360 1675,435 1715,435 1727.6,447.6 U4.5
GND: 2.1 BT1.2 BT2.1 C1.2 C2.1 C3.2 C4.1 C5.1 C6.1 C7.1 C8.1 C9.1 C10.1 C11.1 D2.1 D3.1 D6.1 D7.1 D8.1 D9.1 J1.5 J1.Shell J2.3 J2.5 J2.9 MD1.3 MD2.2 MD2.14 MD2.24 MD2.36 P1.3 P2.3 P4.3 P5.13 P5.15 P6.16 R2.1 S1.3 S1.4 S2.3 S2.4 S3.3 S3.4 S4.3 S4.4 S5.3 S5.4 SW2.2 U1.2 U2.1 U3.7 U3.18 U3.21 U3.25 U3.26 U4.2 U5.13 | length 505.4
  Top Layer w8: v1(615,318.58) R2.1
  Top Layer w10: U3.7 1620,807.8 1620,810 ; v1(1727.6,330) U4.2 ; 1735,780 1737.2,782.2 U3.21 ; v1(1765,700) 1765,705.43 U3.18 ; 1767.58,200 1744.06,200 1741.18,202.87 1741.18,237.13 1744.06,240 1765,240 1768.81,243.81 1768.94,243.81 ; 1780,885 1780,884.57 U3.25 ; 1789.89,910.16 U3.26
  other v1: 203.42,50.31 321.53,50.31 439.64,50.31 912.09,50.31 1148.31,50.31 1266.42,50.31 1384.53,50.31 1502.64,50.31 1620.75,50.31 1738.86,50.31 262.48,168.42 380.59,168.42 1325.47,168.42 1679.8,168.42 1797.91,168.42 2152.24,168.42 912.09,286.53 1030.2,286.53 1856.97,286.53 971.14,404.64 1207.36,404.64 2152.24,404.64 2270.35,404.64 530,408.15 912.09,522.76 1148.31,522.76 1502.64,522.76 1856.97,522.76 853.03,640.87 971.14,640.87 1089.25,640.87 2034.13,640.87 2270.35,640.87 912.09,758.98 1030.2,758.98 1620.75,758.98 1679.8,877.09 144.37,1113.31 557.76,1231.42 793.98,1231.42 853.03,1349.53 971.14,1349.53 1089.25,1349.53 1207.36,1349.53 1325.47,1349.53 1797.91,1349.53 912.09,1467.64 1030.2,1467.64 1148.31,1467.64 1266.42,1467.64 1384.53,1467.64 853.03,1585.75 971.14,1585.75 1089.25,1585.75 1207.36,1585.75 1325.47,1585.75 912.09,1703.86 1030.2,1703.86 1148.31,1703.86 1266.42,1703.86 616.81,1821.97 853.03,1821.97 971.14,1821.97 1089.25,1821.97 1207.36,1821.97 1325.47,1821.97 793.98,1940.08 912.09,1940.08 1030.2,1940.08 1148.31,1940.08 1266.42,1940.08 1384.53,1940.08 1502.64,1940.08 1620.75,1940.08 1856.97,1940.08 1975.08,1940.08 616.81,2058.19 1679.8,2058.19 2034.13,2058.19 2152.24,2058.19 439.64,2412.52 557.76,2412.52
JTAG_TCK: J2.4 MD2.4 P5.2 | length 1048.4
  Top Layer w8: J2.4 385,2200 455,2130 v1(455,1875) 455,1780 505,1730 MD2.4
  Bottom Layer w8: P5.2 v1(455,1875)
JTAG_TDI: J2.8 MD2.6 P5.4 | length 991.3
  Top Layer w8: P5.4 395,1775 ; J2.8 380,2100 395,2085 395,1775 ; MD2.6 495,1630 395,1730 395,1775
JTAG_TDO: J2.6 MD2.5 P5.3 | length 1142
  Top Layer w8: J2.6 385,2150 425,2110 v1(425,1825) 425,1755 500,1680 MD2.5
  Bottom Layer w8: P5.3 225,1825 v1(425,1825)
JTAG_TMS: J2.2 MD2.3 P5.1 | length 1195.3
  Top Layer w8: J2.2 385,2250 485,2150 v1(485,1930) 485,1810 515,1780 MD2.3
  Bottom Layer w8: P5.1 230,1930 v1(485,1930)
Net1_1: 
Net2_1: 
NetD1_1: D1.1 L1.2 U1.1
NetD2_2: D2.2 R3.1 | length 61.8
  Top Layer w10: R3.1 1370.63,504.13 D2.2
NetD3_2: D3.2 R4.1 | length 62.7
  Top Layer w10: R4.1 1368.58,386.42 D3.2
NetD4_1: D4.1 R8.2 | length 57.6
  Top Layer w8: D4.1 1991.5,833.66 R8.2
NetD5_1: D5.1 R7.2 | length 194.3
  Top Layer w8: D5.1 2030,773.5 2030,864.88 1997.83,897.05 R7.2
NetD6_2: D6.2 R9.2 | length 52.1
  Top Layer w10: D6.2 R9.2
NetD7_2: D7.2 R10.2 | length 53.6
  Top Layer w10: D7.2 R10.2
NetD8_2: D8.2 R11.2 | length 53.6
  Top Layer w10: D8.2 R11.2
NetD9_2: D9.2 R13.2 | length 53.6
  Top Layer w10: D9.2 R13.2
NetFB1_2: FB1.2 SW1.1
NetJ1_2: J1.2 U4.1 | length 176.5
  Top Layer w8: J1.2 1664.41,279.41 1690.2,305.2 U4.1
NetJ1_3: J1.3 U4.3 | length 214.5
  Top Layer w8: J1.3 1690,275 1710,295 1740,295 1765,320 U4.3
NetJ1_4: J1.4
NetJ2_7: J2.7
NetMD1_1: MD1.1
NetMD1_2: MD1.2
NetR1_1: R1.1 R2.2 U1.3 | length 269.7
  Top Layer w8: U1.3 492.6,372.4 506.69,358.31 613.94,358.31 R2.2@647.05,391.42 ; R2.2 R1.1
NetR7_1: R7.1 U3.23 | length 144.3
  Top Layer w10: U3.23 1868.39,833.39 1885,850 1885,885 1900,900 R7.1
NetR8_1: R8.1 U3.22 | length 109.6
  Top Layer w10: U3.22 1877.8,807.8 1900.11,830.11 1915.11,830.11 R8.1
NetR12_2: R12.2 S2.1 S2.2 | length 254.1
  Top Layer w20: R12.2 S2.1@2246.5,2305.55
NetR14_2: R14.2 S3.1 S3.2 | length 254.1
  Top Layer w20: R14.2 S3.1@2090,2305.55
NetR15_2: R15.2 S4.1 S4.2 | length 245.6
  Top Layer w20: R15.2@1931.5,2060 S4.1@1931.5,2305.55
NetR16_2: R16.2 S5.1 S5.2 | length 245.9
  Top Layer w20: R16.2@1765,2060 1765.75,2060.75 S5.2@1765.75,2124.45 ; S5.2@1766.5,2124.45 S5.1@1766.5,2305.55
NetU1_6: U1.6
NetU3_2: U3.2
NetU3_6: U3.6
NetU3_8: U3.8
NetU3_9: U3.9
NetU3_10: U3.10
NetU3_12: U3.12
NetU3_13: U3.13
NetU3_14: U3.14
NetU3_15: U3.15 U4.4 | length 183.4
  Top Layer w8: U4.4 1765,585.55 1808.11,628.66 U3.15
NetU3_16: U3.16 U4.6 | length 280.3
  Top Layer w8: U4.6 1690.2,605.2 1739.25,654.25 U3.16
NetU3_19: U3.19
NetU3_24: U3.24
NetU3_27: U3.27
NetU3_28: U3.28
NetU5_1: U5.1
NetU5_3: U5.3
NetU5_4: U5.4
NetU5_5: U5.5
NetU5_6: U5.6
NetU5_7: U5.7
NetU5_8: U5.8
NetU5_9: U5.9
NetU5_10: U5.10
NetU5_11: U5.11
NetU5_12: U5.12
NRST: J2.10 MD2.33 S1.1 S1.2 | length 5078.1
  Top Layer w8: MD2.33 1480,1730 1430,1680 1430,1230 1470,1190 1880,1190 2100.55,969.45 2100.55,935 ; v1(2070,935) 2100.55,935 ; S1.2 2100.55,935
  Top Layer w20: v1(305,2015) J2.10 ; S1.1 S1.2
  Bottom Layer w8: v1(305,2015) 490,2015 530,1975 530,1340 935,935 v1(2070,935)
PA2: MD2.25 P6.9 | length 590.1
  Top Layer w10: MD2.25 1690,1330 1835,1475 P6.9
PA4: MD2.27 P6.8 | length 690.1
  Top Layer w10: MD2.27 1690,1430 1785,1525 2145,1525 P6.8
PA5: MD2.28 P6.7 | length 569.4
  Top Layer w10: MD2.28 1690,1480 1785,1575 P6.7
PA6: MD2.29 P6.6 U3.3 | length 1789
  Top Layer w8: v1(1460,1145) 1461.81,1143.19 1611.81,1143.19 1735,1020 1735,930 v1(1715,910) ; v1(1460,1530) MD2.29 ; U3.3 1551.3,910.08 1604.92,910.08 v1(1605,910)
  Top Layer w10: MD2.29 1690,1530 1785,1625 2145,1625 P6.6
  Bottom Layer w8: v1(1460,1145) v1(1460,1530) ; v1(1605,910) v1(1715,910)
PA7: MD2.30 P6.5 U3.11 | length 1816.9
  Top Layer w8: v1(1495,1165) 1620,1165 1755,1030 1755,845 1615.43,705.43 U3.11 ; v1(1495,1580) MD2.30
  Top Layer w10: MD2.30 1690,1580 1785,1675 P6.5
  Bottom Layer w8: v1(1495,1165) v1(1495,1580)
PB0: MD2.15 P5.11 R11.1 | length 1333.2
  Top Layer w8: P5.11 225,1325 355,1325 585,1095 993.79,1095 ; MD2.15 993.79,1095 ; R11.1 1180,1050 1135,1095 993.79,1095
PB1: MD2.11 P5.10 R13.1 | length 1258.9
  Top Layer w8: P5.10 355,1475 450,1380 MD2.11 ; R13.1 v1(1120,1005)
  Bottom Layer w8: v1(680,1380) 680,1240 915,1005 v1(1120,1005)
PB2: MD2.10 P5.7 | length 658.7
  Top Layer w8: P5.7 225,1525 355,1525 450,1430 MD2.10
PB3: MD2.9 P2.2 P4.2 P5.8 R17.1 U5.16 | length 2843.7
  Top Layer w8: P5.8 355,1575 450,1480 MD2.9 ; v1(380,740) 380,700 425,655 695,655 725,685 725,980 780,1035 U5.16 850.31,1032.95 897.05,1032.95 949.67,980.33 953.25,980.33 R17.1
  Bottom Layer w8: P4.2 165,740 ; P5.8 225,1525 135,1525 110,1500 110,760 130,740 165,740 ; P2.2 290,740 ; v1(380,740) 290,740 ; 165,740 290,740
PB4: MD2.8 P2.1 P4.1 P5.5 R18.1 U5.15 | length 3133.8
  Top Layer w8: P5.5 225,1625 355,1625 450,1530 MD2.8 ; v1(375,635) 720,635 755,670 755,965 775,985 U5.15 885,985 935,935 1020,935 1030,945 R18.1
  Bottom Layer w8: P4.1 165,635 ; P5.5 80,1580 80,670 115,635 165,635 ; P2.1 290,635 ; v1(375,635) 290,635 ; 165,635 290,635
PB5: MD2.7 P5.6 | length 538
  Top Layer w8: P5.6 360,1675 455,1580 MD2.7
PC0: MD2.21 P6.10 R9.1 | length 1289.4
  Top Layer w8: MD2.21 v1(1293.79,1120) 1293.79,967.63 R9.1
  Bottom Layer w8: v1(1293.79,1120) 1680,1120 1985,1425 2145,1425 P6.10
PC1: MD2.20 P6.11 R10.1 | length 1232.8
  Top Layer w8: R10.1 1243.79,965.2 v1(1243.79,1120) MD2.20
  Bottom Layer w8: v1(1243.79,1120) 1243.79,1101.21 1255,1090 1715,1090 2000,1375 P6.11
PC4: MD2.19 P6.12 R12.1 | length 1969.5
  Top Layer w8: v1(1193.79,1120) MD2.19 ; P6.12@2225,1375 2265,1375 2290,1400 2290,1935.08 2261.2,1963.88 2261.2,1966.83 2249.45,1978.58 R12.1
  Bottom Layer w8: v1(1193.79,1120) 1193.79,1086.21 1205,1075 1790,1075 2040,1325 2145,1325 P6.12 2195,1400 P6.12@2205.25,1375.1
PC5: MD2.18 P6.13 R14.1 | length 2135.8
  Top Layer w8: v1(1143.79,1120) MD2.18 ; P6.13@2083.54,1263.54 P6.13 2145,1325 2145,1405 2165,1425 2235,1425 2260,1450 2260,1925.31 2255.31,1930 2141.54,1930 2092.95,1978.58 R14.1
  Bottom Layer w8: v1(1143.79,1120) 1143.79,1081.21 1165,1060 1825,1060 2040,1275 P6.13
PC6: MD2.17 P6.14 R15.1 | length 2363.2
  Top Layer w8: v1(1093.79,1120) MD2.17
  Top Layer w20: R15.1@1931.5,1987.17 v1(1985,1987.17)
  Bottom Layer w8: v1(1093.79,1120) 1093.79,1076.21 1125,1045 1860,1045 2040,1225 2145,1225 P6.14 2255,1335 2255,1935 2202.83,1987.17 v1(1985,1987.17)
PC7: MD2.16 P6.15 R16.1 | length 2840.5
  Top Layer w8: v1(1043.79,1120) MD2.16
  Top Layer w20: R16.1@1765,1987.17 v1(1820,1987.17)
  Bottom Layer w8: v1(1043.79,1120) 1043.79,1076.21 1090,1030 1900,1030 2045,1175 P6.15 2155,1115 2240,1115 2285,1160 2285,1950 2214.73,2020.27 1853.1,2020.27 v1(1820,1987.17)
PD0: MD2.31 P6.4 | length 690.1
  Top Layer w10: MD2.31 1690,1630 1785,1725 2145,1725 P6.4
PD1: MD2.32 P6.3 | length 569.4
  Top Layer w10: MD2.32 1690,1680 1785,1775 P6.3
PD3: MD2.34 P6.2 | length 669.4
  Top Layer w10: MD2.34 1695,1780 1740,1825 2145,1825 P6.2
PD4: MD2.35 P6.1 | length 548.6
  Top Layer w10: MD2.35 1690,1830 1735,1875 P6.1
ROM_BOOT_RX: MD2.22 P1.1 R6.1 U3.1 | length 1099.6
  Top Layer w10: MD2.22 1343.79,1001.21 1383.58,961.42 R6.1 1440.08,961.34 U3.1
  Top Layer w15: U3.1 1551.36,961.2 1613.8,961.2 v1(1615,960)
  Bottom Layer w8: v1(1615,960) 1666.81,1011.81 2168.19,1011.81 P1.1
ROM_BOOT_SEL: MD2.26 SW2.1 | length 1534.1
  Top Layer w8: MD2.26 1495,1380 1475,1360 1475,1240 1505,1210 1900,1210 2125,985 2125,625 2210,540 SW2.1
ROM_BOOT_TX: MD2.23 P1.2 R5.1 U3.5 | length 1415.9
  Top Layer w10: MD2.23 1393.79,1051.21 1455,990 1670,990 ; R5.1 1473.58,763.58 1495,785 1495,845 1508.98,858.98 U3.5 1603.98,858.98 1670,925 1670,990 ; v1(1695,990) 1670,990
  Bottom Layer w8: v1(1695,990) 2090,990 P1.2
RTC_VBAT: BT2.2 C11.2 U5.14 | length 748.4
  Top Layer w20: U5.14 848.71,934.56 885.44,934.56 923.58,896.42 v1(1020,896.42)
  Bottom Layer w20: v1(1020,896.42) 1176.42,740 1393.23,740 BT2.2
USBN: MD2.13 P5.12 | length 538
  Top Layer w8: P5.12 355,1375 450,1280 MD2.13
USBP: MD2.12 P5.9 | length 658.7
  Top Layer w8: P5.9 225,1425 355,1425 450,1330 MD2.12
VBAT: BT1.1 C3.1 L1.1 MD1.4 U1.4 U1.5 | length 729.8
  Bottom Layer w40: MD1.4 560,100 BT1.1@674.63,100
pads on no net: H1.0 H2.0 H3.0 H4.0

## Polygon pours and split planes (outlines as drawn)
GND on Top Layer "GND_L01_P008" (solid, remove dead copper, pour order 8): 110,0 cw(c110,100) 10,100 10,2445 cw(c110,2445) 110,2545 630,2545 cw(c630,2445) 730,2445 730,2050 ccw(c780,2050) 780,2000 1566.99,2006.99 ccw(c1566.99,2055) 1615,2055 1615,2445 cw(c1715,2445) 1715,2545 2270,2545 cw(c2270,2445) 2370,2445 2370,95 cw(c2270,95) 2270,-5 2265,-5
VBAT on Top Layer "VBAT_L01_P004" (solid, remove dead copper, pour order 4): 475,150 595,150 595,40 715,40 715,275 545,275 545,330 440,330 440,370 245,370 245,295 475,295
5V_BAT on Top Layer "5V_BAT_L01_P006" (solid, remove dead copper, pour order 6): 630,455 630,456.03 630,535 865,535 865,265 865,190 1130,190 1130,75 1000,75 1000,150 795,150 795,455
NetD1_1 on Top Layer "NETD1_1_L01_P005" (solid, remove dead copper, pour order 5): 585,385 585,535 465,535 245,535 245,425 445,425 445,455 555,455 555,385
3V3 on Top Layer "3V3_L01_P003" (solid, remove dead copper, pour order 3): 1220,555 1220,615 1205,630 1205,655 1295,655 1295,630 1280,615 1280,555
5V on Top Layer "5V_L01_P002" (solid, remove dead copper, pour order 2): 1210,85 1210,285 1140,285 1140,340 1340,340 1340,285 1290,285 1290,85
NetFB1_2 on Top Layer "NETFB1_2_L01_P001" (solid, remove dead copper, pour order 1): 1441,333 1487,333 1487,82 1380,82 1380,181 1441,242 1441,299
5V_USB on Top Layer "5V_USB_L01_P000" (solid, remove dead copper, pour order 0): 1580,407 1647,340 1647,190 1609,190 1609,320 1562,367 1441,367 1441,407
GND on Bottom Layer "GND_L02_P007" (solid, remove dead copper, pour order 7): 110,0 cw(c110,100) 10,100 10,2445 cw(c110,2445) 110,2545 630,2545 cw(c630,2445) 730,2445 730,2050 ccw(c780,2050) 780,2000 1566.99,2006.99 ccw(c1566.99,2055) 1615,2055 1615,2445 cw(c1715,2445) 1715,2545 2270,2545 cw(c2270,2445) 2370,2445 2370,95 cw(c2270,95) 2270,-5 2265,-5

## Keep-outs
Keep-Out Layer:
  lines w10: 100,0 cw(c100,100) 0,100 0,2445 cw(c100,2445) 100,2545 630,2545 cw(c630,2445) 730,2445 730,2050 ccw(c780,2050) 780,2000 1565,2000 ccw(c1565,2050) 1615,2050 1615,2100 1615,2445 cw(c1715,2445) 1715,2545 2270,2545 cw(c2270,2445) 2370,2445 2370,95 cw(c2270,95) 2270,-5 ; 100,0.13 2265,-5

## Other copper
Top Layer:
  pour cut-out: 240,425 240,372.4 450,372.4 450,425
Bottom Layer:
  pour cut-out: 240,515 240,285 450,285 450,515

## Silkscreen, mask and mechanical layers (free items; w line width, h text height)
Top Overlay:
  drawing of 129 lines, arcs and shapes, not listed
  text "3.3V" at 228.47,2463.65 h50
  text "GND" at 553.47,2463.65 h50
  text "Button" at 1667.5,2416.76 h50
  text "Button" at 1837.5,2416.76 h50
  text "Button" at 1987.5,2416.76 h50
  text "PC7" at 1667.5,2363.53 h50
  text "PC6" at 1837.5,2361.76 h50
  text "PC5" at 1992.5,2361.76 h50
  text "JATG" at 90,2320 h50
  text "PC4" at 2342.5,2222.5 h50 r90
  text "Button" at 2338.24,2077.5 h50 r90
  text "TMS" at 30,1850 h50
  text "TCK" at 327.5,1847.44 h50
  text "PD4" at 1950,1847.44 h50
  text "PD3" at 2250,1847.44 h50
  text "TDI" at 327.5,1747.44 h50
  text "PD1" at 1950,1747.44 h50
  text "TDO" at 30,1745 h50
  text "PD0" at 2250,1742.44 h50
  text "PB5" at 327.5,1647.44 h50
  text "PA7" at 1950,1647.44 h50
  text "PA6" at 2250,1647.44 h50
  text "PB4" at 30,1645 h50
  text "PB3" at 327.5,1547.44 h50
  text "PA5" at 1950,1547.44 h50
  text "PA4" at 2250,1547.44 h50
  text "PB2" at 30,1545 h50
  text "USB+" at 20,1447.44 h50
  text "PB1" at 327.5,1447.44 h50
  text "PA2" at 1950,1447.44 h50
  text "PC0" at 2250,1447.44 h50
  text "PB0" at 30,1347.44 h50
  text "USB-" at 331.07,1347.44 h50
  text "PC1" at 1949.22,1347.44 h50
  text "PC4" at 2250,1347.44 h50
  text "GND" at 29.75,1247.44 h50
  text "3V3" at 330,1247.44 h50
  text "PC5" at 1950,1247.44 h50
  text "PC6" at 2250,1247.44 h50
  text "CC2538" at 1572.52,1200 h50
  text "GND" at 29.75,1147.44 h50
  text "3V3" at 330,1147.44 h50
  text "PC7" at 1950,1147.44 h50
  text "GND" at 2249.75,1147.44 h50
  text "DS3231" at 460.03,1073.72 h50
  text "I²C Slave" at 110,1041.04 h60
  text "FT232RL" at 1650.03,1007.44 h50
  text "RX" at 2050,960 h50
  text "3V3" at 20,957.44 h50
  text "TX" at 2050,860 h50
  text "GND" at 19.75,857.44 h50
  text "SCL" at 20,757.44 h50
  text "PB3" at 343.75,757.44 h50
  text "GND" at 2050,755 h50
  text "LED" at 1085,660 h50 r90
  text "PB1" at 1145,660 h50 r90
  text "PB0" at 1205,660 h50 r90
  text "PC1" at 1265,660 h50 r90
  text "PC0" at 1325,660 h50 r90
  text "3V3" at 2050,660 h50
  text "SDA" at 20,657.44 h50
  text "PB4" at 345,657.44 h50
  text "UART" at 2327.56,630 h50 r90
  text "3V3" at 1440,482.5 h55 r90
  text "3V3" at 945,375 h50 r90
  text "AMS1117" at 905,353.29 h50 r90
  text "USBLC6" at 1671.28,335.03 h50 r90
  text "5V" at 1440,290.27 h55 r90
  text "SELECT" at 2222.56,190 h50 r90
  text "RESET" at 1880,147.44 h50
Bottom Overlay:
  drawing of 199 lines, arcs and shapes, not listed
  text "CC2538DK V2.0" at 2352.5,2120 h100
  text "Designed by TinhChau" at 2350,2070.71 h60
  text "Supervisor: Ph.D Vo Que Son" at 2350.06,2010.16 h60

## Text inside footprints (layer, text, board x,y; h text height)
BT1: Bottom 3D Body "+" at 700,-22.48 h70 r90; Bottom 3D Body "-" at 695,2437.52 h70 r90; Bottom Overlay "+" at 169.76,615 h250 r180; Bottom Overlay "-" at 695,2437.52 h70 r90
BT2: Bottom Overlay "+" at 1581.3,580.1 h118.11 r270
C1: Top Overlay "+" at 900,240 h20 r90
C3: Top Overlay "+" at 575,240 h20 r90
D2: Top Overlay "+" at 1365,465 h15
D3: Top Overlay "+" at 1365,445 h15
D4: Top Overlay "+" at 1885,825 h15 r270
D5: Top Overlay "+" at 1885,705 h15 r270
D6: Top Overlay "+" at 1275,880 h15 r180
D7: Top Overlay "+" at 1215,880 h15 r180
D8: Top Overlay "+" at 1155,880 h15 r180
D9: Top Overlay "+" at 1090,880 h15 r180
J1: Top Courtyard "PCB Edge" at 1638.82,-24.92 h16
MD1: Top Overlay "BAT" at 45,575 h40 r270; Top Overlay "VIN" at 45,275 h40 r270; Top Overlay "GND" at 45,475 h40 r270; Top Overlay "GND" at 45,375 h40 r270
SW2: Top Overlay "ON" at 2321.5,327.01 h35 r180; Top Component Outline "ON" at 2321.5,327.01 h35 r180